# EAGLE board Mk4 Final Panel 8up 4x2 (EAGLE 9.0.1), part 19 of 23
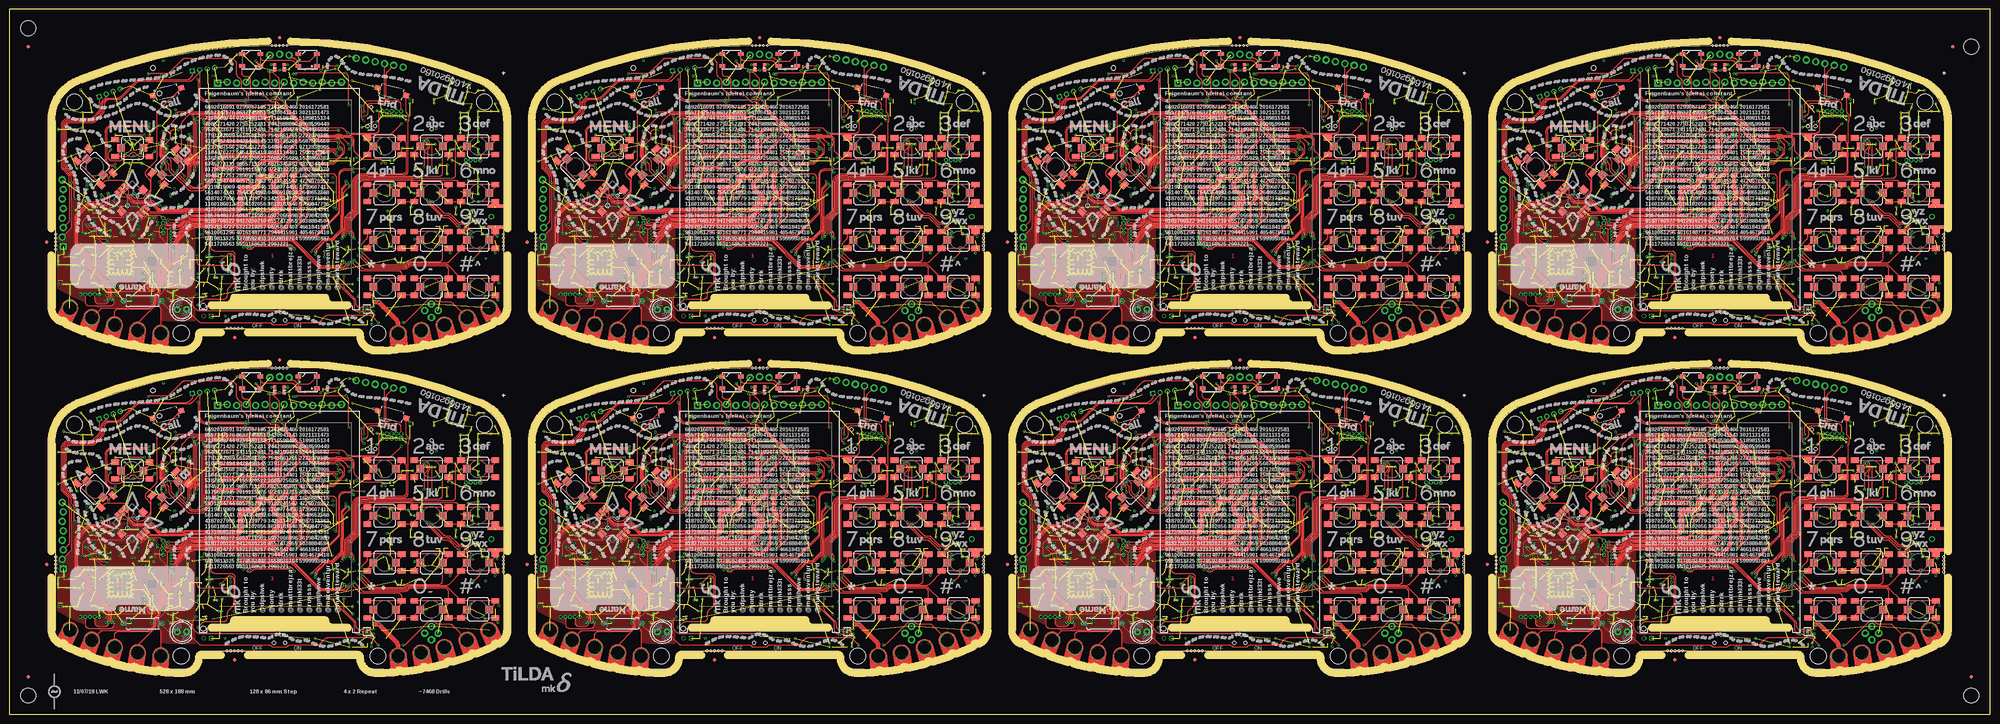
[diagram p0: board, top side]
## Tracks (layer width: path | path; a pad name or v marks a point on that pad's centre or on a via) (continued)
SIM_VDD6 (continued)
  Bottom 0.3: C698.2 arc-45 383.5,112.85 383.5,114.84 arc-45 383.79,115.54 384.4,116.15 arc-45 385.1,116.44 J64.C1 386.11,117.2 arc-45 386.4,117.9 386.46,117.96 arc45 386.75,118.66 386.75,119.25 arc90 385.75,120.25 382,120.25 arc-90 381,121.25 381,122.09 arc45 380.71,122.79 380.54,122.96 arc-45 380.25,123.66 380.25,124.75 arc90 379.25,125.75 378.91,125.75 arc-45 378.21,126.04 377.54,126.71 arc-45 377.25,127.41 377.25,128.5 376.85,128.9 IC115.5 376.57,130.59 arc45 376.28,131.29 375.37,132.21 arc45 374.66,132.5 371.91,132.5 arc-45 371.21,132.79 369.79,134.21 arc-45 369.5,134.91 369.5,136.94 arc45 369.28,137.47 368.47,138.28 arc-45 368.25,138.81 368.25,144.34 arc-45 368.54,145.04 369.31,145.81 arc45 369.6,146.51 IC111.18
SIM_VDD7
  Bottom 0.3: C806.2 arc-45 511.5,112.85 511.5,114.84 arc-45 511.79,115.54 512.4,116.15 arc-45 513.1,116.44 J74.C1 514.11,117.2 arc-45 514.4,117.9 514.46,117.96 arc45 514.75,118.66 514.75,119.25 arc90 513.75,120.25 510,120.25 arc-90 509,121.25 509,122.09 arc45 508.71,122.79 508.54,122.96 arc-45 508.25,123.66 508.25,124.75 arc90 507.25,125.75 506.91,125.75 arc-45 506.21,126.04 505.54,126.71 arc-45 505.25,127.41 505.25,128.5 504.85,128.9 IC133.5 504.57,130.59 arc45 504.28,131.29 503.37,132.21 arc45 502.66,132.5 499.91,132.5 arc-45 499.21,132.79 497.79,134.21 arc-45 497.5,134.91 497.5,136.94 arc45 497.28,137.47 496.47,138.28 arc-45 496.25,138.81 496.25,144.34 arc-45 496.54,145.04 497.31,145.81 arc45 497.6,146.51 IC129.18
SOP0  (via drill 0.3)
  Top 0.2: v26.05,40.55 25.11,40.55 arc-45 24.41,40.84 23.54,41.71 arc-45 23.25,42.41 23.25,42.75 arc90 22.25,43.75 22.16,43.75 arc-45 21.46,44.04 21.18,44.32 arc-45 v21,44.75
  Bottom 0.2: IC15.35 26.75,39.44 arc45 26.46,40.14 v26.05,40.55 | R64.1 22.25,46.65 21.44,45.84 arc45 21,44.78 v21,44.75
SOP1  (via drill 0.3)
  Top 0.2: v20.25,44.75 arc45 20.43,44.32 21.71,43.04 arc-45 22,42.34 22,42 arc90 23,41 23.06,41 arc-45 23.77,40.71 24.38,40.09 arc45 25.09,39.8 v26,39.8
  Bottom 0.2: IC15.34 26.25,39.34 arc45 26.1,39.7 v26,39.8 | R63.1 21.2,46.7 20.69,46.19 arc45 20.25,45.13 v20.25,44.75
SOP2
  Bottom 0.15: IC15.21 24.42,32.75 arc90 24.17,32.5 24.17,29.43 R62.1
SOP3
  Bottom 0.15: IC29.21 152.43,32.75 arc90 152.18,32.5 152.18,29.43 R140.1
SOP4  (via drill 0.3)
  Top 0.2: v148.25,44.75 arc45 148.43,44.32 149.71,43.04 arc-45 150,42.34 150,42 arc90 151,41 151.06,41 arc-45 151.76,40.71 152.38,40.09 arc45 153.09,39.8 v154,39.8
  Bottom 0.2: IC29.34 154.25,39.34 arc45 154.1,39.7 v154,39.8 | R141.1 149.2,46.7 148.69,46.19 arc45 148.25,45.13 v148.25,44.75
SOP5  (via drill 0.3)
  Top 0.2: v154.05,40.55 153.11,40.55 arc-45 152.41,40.84 151.54,41.71 arc-45 151.25,42.41 151.25,42.75 arc90 150.25,43.75 150.16,43.75 arc-45 149.46,44.04 149.18,44.32 arc-45 v149,44.75
  Bottom 0.2: IC29.35 154.75,39.44 arc45 154.46,40.14 v154.05,40.55 | R142.1 150.25,46.65 149.44,45.84 arc45 149,44.78 v149,44.75
SOP6
  Bottom 0.15: IC47.21 24.42,118.75 arc90 24.17,118.5 24.17,115.42 R218.1
SOP7  (via drill 0.3)
  Top 0.2: v20.25,130.75 arc45 20.43,130.32 21.71,129.04 arc-45 22,128.34 22,128 arc90 23,127 23.06,127 arc-45 23.77,126.71 24.38,126.09 arc45 25.09,125.8 v26,125.8
  Bottom 0.2: IC47.34 26.25,125.34 arc45 26.1,125.7 v26,125.8 | R219.1 21.2,132.7 20.69,132.19 arc45 20.25,131.13 v20.25,130.75
SOP8  (via drill 0.3)
  Top 0.2: v26.05,126.55 25.11,126.55 arc-45 24.41,126.84 23.54,127.71 arc-45 23.25,128.41 23.25,128.75 arc90 22.25,129.75 22.16,129.75 arc-45 21.46,130.04 21.18,130.32 arc-45 v21,130.75
  Bottom 0.2: IC47.35 26.75,125.44 arc45 26.46,126.14 v26.05,126.55 | R220.1 22.25,132.65 21.44,131.84 arc45 21,130.78 v21,130.75
SOP9
  Bottom 0.15: IC65.21 152.43,118.75 arc90 152.18,118.5 152.18,115.42 R296.1
SOP10  (via drill 0.3)
  Top 0.2: v148.25,130.75 arc45 148.43,130.32 149.71,129.04 arc-45 150,128.34 150,128 arc90 151,127 151.06,127 arc-45 151.76,126.71 152.38,126.09 arc45 153.09,125.8 v154,125.8
  Bottom 0.2: IC65.34 154.25,125.34 arc45 154.1,125.7 v154,125.8 | R297.1 149.2,132.7 148.69,132.19 arc45 148.25,131.13 v148.25,130.75
SOP11  (via drill 0.3)
  Top 0.2: v154.05,126.55 153.11,126.55 arc-45 152.41,126.84 151.54,127.71 arc-45 151.25,128.41 151.25,128.75 arc90 150.25,129.75 150.16,129.75 arc-45 149.46,130.04 149.18,130.32 arc-45 v149,130.75
  Bottom 0.2: IC65.35 154.75,125.44 arc45 154.46,126.14 v154.05,126.55 | R298.1 150.25,132.65 149.44,131.84 arc45 149,130.78 v149,130.75
SOP12
  Bottom 0.15: IC83.21 280.43,32.75 arc90 280.18,32.5 280.18,29.43 R374.1
SOP13  (via drill 0.3)
  Top 0.2: v276.25,44.75 arc45 276.43,44.32 277.71,43.04 arc-45 278,42.34 278,42 arc90 279,41 279.06,41 arc-45 279.76,40.71 280.38,40.09 arc45 281.09,39.8 v282,39.8
  Bottom 0.2: IC83.34 282.25,39.34 arc45 282.1,39.7 v282,39.8 | R375.1 277.2,46.7 276.69,46.19 arc45 276.25,45.13 v276.25,44.75
SOP14  (via drill 0.3)
  Top 0.2: v282.05,40.55 281.11,40.55 arc-45 280.41,40.84 279.54,41.71 arc-45 279.25,42.41 279.25,42.75 arc90 278.25,43.75 278.16,43.75 arc-45 277.46,44.04 277.18,44.32 arc-45 v277,44.75
  Bottom 0.2: IC83.35 282.75,39.44 arc45 282.46,40.14 v282.05,40.55 | R376.1 278.25,46.65 277.44,45.84 arc45 277,44.78 v277,44.75
SOP15
  Bottom 0.15: IC101.21 408.43,32.75 arc90 408.18,32.5 408.18,29.43 R452.1
SOP16  (via drill 0.3)
  Top 0.2: v404.25,44.75 arc45 404.43,44.32 405.71,43.04 arc-45 406,42.34 406,42 arc90 407,41 407.06,41 arc-45 407.76,40.71 408.38,40.09 arc45 409.09,39.8 v410,39.8
  Bottom 0.2: IC101.34 410.25,39.34 arc45 410.1,39.7 v410,39.8 | R453.1 405.2,46.7 404.69,46.19 arc45 404.25,45.13 v404.25,44.75
SOP17  (via drill 0.3)
  Top 0.2: v410.05,40.55 409.11,40.55 arc-45 408.41,40.84 407.54,41.71 arc-45 407.25,42.41 407.25,42.75 arc90 406.25,43.75 406.16,43.75 arc-45 405.46,44.04 405.18,44.32 arc-45 v405,44.75
  Bottom 0.2: IC101.35 410.75,39.44 arc45 410.46,40.14 v410.05,40.55 | R454.1 406.25,46.65 405.44,45.84 arc45 405,44.78 v405,44.75
SOP18
  Bottom 0.15: IC119.21 280.43,118.75 arc90 280.18,118.5 280.18,115.42 R530.1
SOP19  (via drill 0.3)
  Top 0.2: v276.25,130.75 arc45 276.43,130.32 277.71,129.04 arc-45 278,128.34 278,128 arc90 279,127 279.06,127 arc-45 279.76,126.71 280.38,126.09 arc45 281.09,125.8 v282,125.8
  Bottom 0.2: IC119.34 282.25,125.34 arc45 282.1,125.7 v282,125.8 | R531.1 277.2,132.7 276.69,132.19 arc45 276.25,131.13 v276.25,130.75
SOP20  (via drill 0.3)
  Top 0.2: v282.05,126.55 281.11,126.55 arc-45 280.41,126.84 279.54,127.71 arc-45 279.25,128.41 279.25,128.75 arc90 278.25,129.75 278.16,129.75 arc-45 277.46,130.04 277.18,130.32 arc-45 v277,130.75
  Bottom 0.2: IC119.35 282.75,125.44 arc45 282.46,126.14 v282.05,126.55 | R532.1 278.25,132.65 277.44,131.84 arc45 277,130.78 v277,130.75
SOP21
  Bottom 0.15: IC137.21 408.43,118.75 arc90 408.18,118.5 408.18,115.42 R608.1
SOP22  (via drill 0.3)
  Top 0.2: v404.25,130.75 arc45 404.43,130.32 405.71,129.04 arc-45 406,128.34 406,128 arc90 407,127 407.06,127 arc-45 407.76,126.71 408.38,126.09 arc45 409.09,125.8 v410,125.8
  Bottom 0.2: IC137.34 410.25,125.34 arc45 410.1,125.7 v410,125.8 | R609.1 405.2,132.7 404.69,132.19 arc45 404.25,131.13 v404.25,130.75
SOP23  (via drill 0.3)
  Top 0.2: v410.05,126.55 409.11,126.55 arc-45 408.41,126.84 407.54,127.71 arc-45 407.25,128.41 407.25,128.75 arc90 406.25,129.75 406.16,129.75 arc-45 405.46,130.04 405.18,130.32 arc-45 v405,130.75
  Bottom 0.2: IC137.35 410.75,125.44 arc45 410.46,126.14 v410.05,126.55 | R610.1 406.25,132.65 405.44,131.84 arc45 405,130.78 v405,130.75
SPK_AMP_N
  Bottom 0.2: IC13.8 31.83,63.17 arc-90 30.83,62.17 28.34,62.17 arc45 27.63,61.88 U5.-
SPK_AMP_N1
  Bottom 0.2: IC28.8 159.82,63.17 arc-90 158.82,62.17 156.34,62.17 arc45 155.63,61.88 U6.-
SPK_AMP_N2
  Bottom 0.2: IC46.8 31.83,149.18 arc-90 30.83,148.18 28.34,148.18 arc45 27.63,147.88 U9.-
SPK_AMP_N3
  Bottom 0.2: IC64.8 159.82,149.18 arc-90 158.82,148.18 156.34,148.18 arc45 155.63,147.88 U12.-
SPK_AMP_N4
  Bottom 0.2: IC82.8 287.82,63.17 arc-90 286.82,62.17 284.34,62.17 arc45 283.63,61.88 U15.-
SPK_AMP_N5
  Bottom 0.2: IC100.8 415.82,63.17 arc-90 414.82,62.17 412.34,62.17 arc45 411.63,61.88 U18.-
SPK_AMP_N6
  Bottom 0.2: IC118.8 287.82,149.18 arc-90 286.82,148.18 284.34,148.18 arc45 283.63,147.88 U21.-
SPK_AMP_N7
  Bottom 0.2: IC136.8 415.82,149.18 arc-90 414.82,148.18 412.34,148.18 arc45 411.63,147.88 U24.-
SPK_AMP_P  (via drill 0.3)
  Top 0.2: v34.5,62 30.29,62 arc45 29.79,61.79 arc-45 29.09,61.5 27.5,61.5 arc-90 26.5,62.5 26.5,63.59 arc-45 26.79,64.29 v27,64.5
  Bottom 0.2: IC13.5 33.77,63.14 arc45 34.07,62.43 v34.5,62 | U5.+ 25.25,66.66 arc45 25.54,65.96 v27,64.5
SPK_AMP_P1  (via drill 0.3)
  Top 0.2: v162.5,62 158.29,62 arc45 157.79,61.79 arc-45 157.09,61.5 155.5,61.5 arc-90 154.5,62.5 154.5,63.59 arc-45 154.79,64.29 v155,64.5
  Bottom 0.2: IC28.5 161.78,63.14 arc45 162.07,62.43 v162.5,62 | U6.+ 153.25,66.66 arc45 153.54,65.96 v155,64.5
SPK_AMP_P2  (via drill 0.3)
  Top 0.2: v34.5,148 30.29,148 arc45 29.79,147.79 arc-45 29.09,147.5 27.5,147.5 arc-90 26.5,148.5 26.5,149.59 arc-45 26.79,150.29 v27,150.5
  Bottom 0.2: IC46.5 33.77,149.14 arc45 34.07,148.43 v34.5,148 | U9.+ 25.25,152.66 arc45 25.54,151.96 v27,150.5
SPK_AMP_P3  (via drill 0.3)
  Top 0.2: v162.5,148 158.29,148 arc45 157.79,147.79 arc-45 157.09,147.5 155.5,147.5 arc-90 154.5,148.5 154.5,149.59 arc-45 154.79,150.29 v155,150.5
  Bottom 0.2: IC64.5 161.78,149.14 arc45 162.07,148.43 v162.5,148 | U12.+ 153.25,152.66 arc45 153.54,151.96 v155,150.5
SPK_AMP_P4  (via drill 0.3)
  Top 0.2: v290.5,62 286.29,62 arc45 285.79,61.79 arc-45 285.09,61.5 283.5,61.5 arc-90 282.5,62.5 282.5,63.59 arc-45 282.79,64.29 v283,64.5
  Bottom 0.2: IC82.5 289.77,63.14 arc45 290.07,62.43 v290.5,62 | U15.+ 281.25,66.66 arc45 281.54,65.96 v283,64.5
SPK_AMP_P5  (via drill 0.3)
  Top 0.2: v418.5,62 414.29,62 arc45 413.79,61.79 arc-45 413.09,61.5 411.5,61.5 arc-90 410.5,62.5 410.5,63.59 arc-45 410.79,64.29 v411,64.5
  Bottom 0.2: IC100.5 417.77,63.14 arc45 418.07,62.43 v418.5,62 | U18.+ 409.25,66.66 arc45 409.54,65.96 v411,64.5
SPK_AMP_P6  (via drill 0.3)
  Top 0.2: v290.5,148 286.29,148 arc45 285.79,147.79 arc-45 285.09,147.5 283.5,147.5 arc-90 282.5,148.5 282.5,149.59 arc-45 282.79,150.29 v283,150.5
  Bottom 0.2: IC118.5 289.77,149.14 arc45 290.07,148.43 v290.5,148 | U21.+ 281.25,152.66 arc45 281.54,151.96 v283,150.5
SPK_AMP_P7  (via drill 0.3)
  Top 0.2: v418.5,148 414.29,148 arc45 413.79,147.79 arc-45 413.09,147.5 411.5,147.5 arc-90 410.5,148.5 410.5,149.59 arc-45 410.79,150.29 v411,150.5
  Bottom 0.2: IC136.5 417.77,149.14 arc45 418.07,148.43 v418.5,148 | U24.+ 409.25,152.66 arc45 409.54,151.96 v411,150.5
SPK_N  (via drill 0.3)
  Top 0.2: v61,41.9 61.23,41.67 81.21,41.67 arc45 81.92,41.97 87.46,47.51 arc45 87.75,48.21 87.75,57.92 arc-90 89.17,59.34 91.11,59.34 arc45 91.46,59.49 v91.59,59.62 91.76,59.45 v94.6,59.45 | v37.3,70.5 37.27,70.53 arc45 36.56,70.83 27.5,70.83 arc90 25.92,69.25 25.92,61.95 arc90 27.45,60.42 27.72,60.42 arc45 28.07,60.57 v28.2,60.7
  Bottom 0.2: IC5.12 104.6,59 C68.2 | C65.1 C68.2 | C67.1 C64.2 | C64.2 C68.2 | C64.2 101.17,58.67 96.46,58.67 arc-45 96.39,58.7 96.3,58.8 arc45 96.23,58.83 95.22,58.83 arc-90 v94.6,59.45 | v61,41.9 60.77,41.67 60.29,41.67 arc-45 59.58,41.97 57.27,44.28 arc45 56.8,44.48 56.69,44.48 arc-45 55.98,44.77 52.66,48.08 arc45 51.96,48.38 45.39,48.38 arc-45 44.68,48.67 41.87,51.48 arc-45 41.58,52.19 41.58,52.7 arc90 39.9,54.38 37.29,54.38 arc-45 36.58,54.67 34.37,56.88 arc45 33.66,57.17 30.4,57.17 arc-90 29.67,57.9 29.67,59.6 arc90 28.85,60.42 28.68,60.42 arc-45 28.33,60.57 v28.2,60.7 | 36.45,70.5 C82.2 36.5,70.5 v37.3,70.5 | v91.59,59.62 92.1,59.11 92.1,59.05 92.66,58.5 R43.1
SPK_N1  (via drill 0.3)
  Top 0.2: v189,41.9 189.22,41.67 209.21,41.67 arc45 209.92,41.97 215.46,47.51 arc45 215.75,48.21 215.75,57.92 arc-90 217.17,59.34 219.11,59.34 arc45 219.46,59.49 v219.59,59.62 219.76,59.45 v222.6,59.45 | v165.3,70.5 165.27,70.53 arc45 164.56,70.83 155.5,70.83 arc90 153.93,69.25 153.93,61.95 arc90 155.45,60.42 155.72,60.42 arc45 156.07,60.57 v156.2,60.7
  Bottom 0.2: IC21.12 232.6,59 C169.2 | C166.1 C169.2 | C168.1 C165.2 | C165.2 C169.2 | C165.2 229.18,58.67 224.46,58.67 arc-45 224.39,58.7 224.3,58.8 arc45 224.23,58.83 223.22,58.83 arc-90 v222.6,59.45 | v189,41.9 188.78,41.67 188.29,41.67 arc-45 187.58,41.97 185.26,44.28 arc45 184.8,44.48 184.69,44.48 arc-45 183.98,44.77 180.67,48.08 arc45 179.96,48.38 173.39,48.38 arc-45 172.68,48.67 169.87,51.48 arc-45 169.57,52.19 169.57,52.7 arc90 167.9,54.38 165.29,54.38 arc-45 164.58,54.67 162.37,56.88 arc45 161.66,57.17 158.4,57.17 arc-90 157.68,57.9 157.68,59.6 arc90 156.85,60.42 156.68,60.42 arc-45 156.33,60.57 v156.2,60.7 | 164.45,70.5 C183.2 164.5,70.5 v165.3,70.5 | v219.59,59.62 220.1,59.11 220.1,59.05 220.66,58.5 R125.1
SPK_N2  (via drill 0.3)
  Top 0.2: v61,127.9 61.23,127.67 81.21,127.67 arc45 81.92,127.97 87.46,133.5 arc45 87.75,134.21 87.75,143.93 arc-90 89.17,145.34 91.11,145.34 arc45 91.46,145.49 v91.59,145.62 91.76,145.45 v94.6,145.45 | v37.3,156.5 37.27,156.53 arc45 36.56,156.82 27.5,156.82 arc90 25.92,155.25 25.92,147.95 arc90 27.45,146.43 27.72,146.43 arc45 28.07,146.57 v28.2,146.7
  Bottom 0.2: IC39.12 104.6,145 C277.2 | C274.1 C277.2 | C276.1 C273.2 | C273.2 C277.2 | C273.2 101.17,144.68 96.46,144.68 arc-45 96.39,144.7 96.3,144.8 arc45 96.23,144.82 95.22,144.82 arc-90 v94.6,145.45 | v61,127.9 60.77,127.67 60.29,127.67 arc-45 59.58,127.97 57.27,130.28 arc45 56.8,130.47 56.69,130.47 arc-45 55.98,130.77 52.66,134.08 arc45 51.96,134.38 45.39,134.38 arc-45 44.68,134.67 41.87,137.48 arc-45 41.58,138.19 41.58,138.7 arc90 39.9,140.38 37.29,140.38 arc-45 36.58,140.67 34.37,142.88 arc45 33.66,143.18 30.4,143.18 arc-90 29.67,143.9 29.67,145.6 arc90 28.85,146.43 28.68,146.43 arc-45 28.33,146.57 v28.2,146.7 | 36.45,156.5 C291.2 36.5,156.5 v37.3,156.5 | v91.59,145.62 92.1,145.11 92.1,145.06 92.66,144.5 R203.1
SPK_N3  (via drill 0.3)
  Top 0.2: v189,127.9 189.22,127.67 209.21,127.67 arc45 209.92,127.97 215.46,133.5 arc45 215.75,134.21 215.75,143.93 arc-90 217.17,145.34 219.11,145.34 arc45 219.46,145.49 v219.59,145.62 219.76,145.45 v222.6,145.45 | v165.3,156.5 165.27,156.53 arc45 164.56,156.82 155.5,156.82 arc90 153.93,155.25 153.93,147.95 arc90 155.45,146.43 155.72,146.43 arc45 156.07,146.57 v156.2,146.7
  Bottom 0.2: IC57.12 232.6,145 C385.2 | C382.1 C385.2 | C384.1 C381.2 | C381.2 C385.2 | C381.2 229.18,144.68 224.46,144.68 arc-45 224.39,144.7 224.3,144.8 arc45 224.23,144.82 223.22,144.82 arc-90 v222.6,145.45 | v189,127.9 188.78,127.67 188.29,127.67 arc-45 187.58,127.97 185.26,130.28 arc45 184.8,130.47 184.69,130.47 arc-45 183.98,130.77 180.67,134.08 arc45 179.96,134.38 173.39,134.38 arc-45 172.68,134.67 169.87,137.48 arc-45 169.57,138.19 169.57,138.7 arc90 167.9,140.38 165.29,140.38 arc-45 164.58,140.67 162.37,142.88 arc45 161.66,143.18 158.4,143.18 arc-90 157.68,143.9 157.68,145.6 arc90 156.85,146.43 156.68,146.43 arc-45 156.33,146.57 v156.2,146.7 | 164.45,156.5 C399.2 164.5,156.5 v165.3,156.5 | v219.59,145.62 220.1,145.11 220.1,145.06 220.66,144.5 R281.1
SPK_N4  (via drill 0.3)
  Top 0.2: v317,41.9 317.23,41.67 337.21,41.67 arc45 337.92,41.97 343.46,47.51 arc45 343.75,48.21 343.75,57.92 arc-90 345.17,59.34 347.11,59.34 arc45 347.46,59.49 v347.59,59.62 347.76,59.45 v350.6,59.45 | v293.3,70.5 293.27,70.53 arc45 292.56,70.83 283.5,70.83 arc90 281.93,69.25 281.93,61.95 arc90 283.45,60.42 283.72,60.42 arc45 284.07,60.57 v284.2,60.7
  Bottom 0.2: IC75.12 360.6,59 C493.2 | C490.1 C493.2 | C492.1 C489.2 | C489.2 C493.2 | C489.2 357.18,58.67 352.46,58.67 arc-45 352.39,58.7 352.3,58.8 arc45 352.23,58.83 351.23,58.83 arc-90 v350.6,59.45 | v317,41.9 316.77,41.67 316.29,41.67 arc-45 315.58,41.97 313.26,44.28 arc45 312.8,44.48 312.69,44.48 arc-45 311.98,44.77 308.66,48.08 arc45 307.96,48.38 301.39,48.38 arc-45 300.68,48.67 297.87,51.48 arc-45 297.57,52.19 297.57,52.7 arc90 295.9,54.38 293.29,54.38 arc-45 292.58,54.67 290.37,56.88 arc45 289.66,57.17 286.4,57.17 arc-90 285.68,57.9 285.68,59.6 arc90 284.85,60.42 284.68,60.42 arc-45 284.33,60.57 v284.2,60.7 | 292.45,70.5 C507.2 292.5,70.5 v293.3,70.5 | v347.59,59.62 348.1,59.11 348.1,59.05 348.65,58.5 R359.1
SPK_N5  (via drill 0.3)
  Top 0.2: v445,41.9 445.23,41.67 465.21,41.67 arc45 465.92,41.97 471.46,47.51 arc45 471.75,48.21 471.75,57.92 arc-90 473.17,59.34 475.11,59.34 arc45 475.46,59.49 v475.59,59.62 475.76,59.45 v478.6,59.45 | v421.3,70.5 421.27,70.53 arc45 420.56,70.83 411.5,70.83 arc90 409.93,69.25 409.93,61.95 arc90 411.45,60.42 411.72,60.42 arc45 412.07,60.57 v412.2,60.7
  Bottom 0.2: IC93.12 488.6,59 C601.2 | C598.1 C601.2 | C600.1 C597.2 | C597.2 C601.2 | C597.2 485.18,58.67 480.46,58.67 arc-45 480.39,58.7 480.3,58.8 arc45 480.23,58.83 479.23,58.83 arc-90 v478.6,59.45 | v445,41.9 444.77,41.67 444.29,41.67 arc-45 443.58,41.97 441.26,44.28 arc45 440.8,44.48 440.69,44.48 arc-45 439.98,44.77 436.67,48.08 arc45 435.96,48.38 429.39,48.38 arc-45 428.68,48.67 425.87,51.48 arc-45 425.57,52.19 425.57,52.7 arc90 423.9,54.38 421.29,54.38 arc-45 420.58,54.67 418.37,56.88 arc45 417.66,57.17 414.4,57.17 arc-90 413.68,57.9 413.68,59.6 arc90 412.85,60.42 412.68,60.42 arc-45 412.33,60.57 v412.2,60.7 | 420.45,70.5 C615.2 420.5,70.5 v421.3,70.5 | v475.59,59.62 476.1,59.11 476.1,59.05 476.65,58.5 R437.1
SPK_N6  (via drill 0.3)
  Top 0.2: v317,127.9 317.23,127.67 337.21,127.67 arc45 337.92,127.97 343.46,133.5 arc45 343.75,134.21 343.75,143.93 arc-90 345.17,145.34 347.11,145.34 arc45 347.46,145.49 v347.59,145.62 347.76,145.45 v350.6,145.45 | v293.3,156.5 293.27,156.53 arc45 292.56,156.82 283.5,156.82 arc90 281.93,155.25 281.93,147.95 arc90 283.45,146.43 283.72,146.43 arc45 284.07,146.57 v284.2,146.7
  Bottom 0.2: IC111.12 360.6,145 C709.2 | C706.1 C709.2 | C708.1 C705.2 | C705.2 C709.2 | C705.2 357.18,144.68 352.46,144.68 arc-45 352.39,144.7 352.3,144.8 arc45 352.23,144.82 351.23,144.82 arc-90 v350.6,145.45 | v317,127.9 316.77,127.67 316.29,127.67 arc-45 315.58,127.97 313.26,130.28 arc45 312.8,130.47 312.69,130.47 arc-45 311.98,130.77 308.66,134.08 arc45 307.96,134.38 301.39,134.38 arc-45 300.68,134.67 297.87,137.48 arc-45 297.57,138.19 297.57,138.7 arc90 295.9,140.38 293.29,140.38 arc-45 292.58,140.67 290.37,142.88 arc45 289.66,143.18 286.4,143.18 arc-90 285.68,143.9 285.68,145.6 arc90 284.85,146.43 284.68,146.43 arc-45 284.33,146.57 v284.2,146.7 | 292.45,156.5 C723.2 292.5,156.5 v293.3,156.5 | v347.59,145.62 348.1,145.11 348.1,145.06 348.65,144.5 R515.1
SPK_N7  (via drill 0.3)
  Top 0.2: v445,127.9 445.23,127.67 465.21,127.67 arc45 465.92,127.97 471.46,133.5 arc45 471.75,134.21 471.75,143.93 arc-90 473.17,145.34 475.11,145.34 arc45 475.46,145.49 v475.59,145.62 475.76,145.45 v478.6,145.45 | v421.3,156.5 421.27,156.53 arc45 420.56,156.82 411.5,156.82 arc90 409.93,155.25 409.93,147.95 arc90 411.45,146.43 411.72,146.43 arc45 412.07,146.57 v412.2,146.7
  Bottom 0.2: IC129.12 488.6,145 C817.2 | C814.1 C817.2 | C816.1 C813.2 | C813.2 C817.2 | C813.2 485.18,144.68 480.46,144.68 arc-45 480.39,144.7 480.3,144.8 arc45 480.23,144.82 479.23,144.82 arc-90 v478.6,145.45 | v445,127.9 444.77,127.67 444.29,127.67 arc-45 443.58,127.97 441.26,130.28 arc45 440.8,130.47 440.69,130.47 arc-45 439.98,130.77 436.67,134.08 arc45 435.96,134.38 429.39,134.38 arc-45 428.68,134.67 425.87,137.48 arc-45 425.57,138.19 425.57,138.7 arc90 423.9,140.38 421.29,140.38 arc-45 420.58,140.67 418.37,142.88 arc45 417.66,143.18 414.4,143.18 arc-90 413.68,143.9 413.68,145.6 arc90 412.85,146.43 412.68,146.43 arc-45 412.33,146.57 v412.2,146.7 | 420.45,156.5 C831.2 420.5,156.5 v421.3,156.5 | v475.59,145.62 476.1,145.11 476.1,145.06 476.65,144.5 R593.1
SPK_P  (via drill 0.3)
  Top 0.2: v61,41.1 61.23,41.33 81.36,41.33 arc45 82.06,41.62 87.81,47.36 arc45 88.1,48.07 88.1,57.92 arc-90 89.17,58.99 91.16,58.99 arc-45 91.51,58.84 v91.75,58.61 | v37.3,71.45 arc-45 36.64,71.17 27.5,71.17 arc90 25.58,69.25 25.58,61.95 arc90 27.45,60.08 27.72,60.08 arc-45 28.07,59.93 v28.2,59.8
  Bottom 0.2: IC5.11 102.55,57.95 C68.1 | C68.1 C64.1 | C69.1 C68.1 | C66.1 C64.1 | C64.1 101.17,58.33 96.32,58.33 arc-45 96.25,58.35 96.16,58.45 arc45 96.09,58.48 93.78,58.48 R45.1 93.11,57.86 arc-90 92.4,57.86 91.75,58.51 v91.75,58.61 | v61,41.1 60.77,41.33 60.14,41.33 arc-45 59.44,41.62 57.02,44.03 arc45 56.8,44.12 56.54,44.12 arc-45 55.84,44.42 52.52,47.73 arc45 51.81,48.02 45.24,48.02 arc-45 44.53,48.32 41.52,51.34 arc-45 41.23,52.04 41.23,52.7 arc90 39.9,54.02 37.14,54.02 arc-45 36.44,54.32 34.22,56.53 arc45 33.51,56.83 30.4,56.83 arc-90 29.33,57.9 29.33,59.6 arc90 28.85,60.08 28.68,60.08 arc45 28.33,59.93 v28.2,59.8 | C83.2 v37.3,71.45
SPK_P1  (via drill 0.3)
  Top 0.2: v189,41.1 189.22,41.33 209.36,41.33 arc45 210.06,41.62 215.81,47.36 arc45 216.1,48.07 216.1,57.92 arc-90 217.17,58.99 219.16,58.99 arc-45 219.51,58.84 v219.75,58.61 | v165.3,71.45 arc-45 164.64,71.17 155.5,71.17 arc90 153.57,69.25 153.57,61.95 arc90 155.45,60.08 155.72,60.08 arc-45 156.07,59.93 v156.2,59.8
  Bottom 0.2: IC21.11 230.55,57.95 C169.1 | C169.1 C165.1 | C170.1 C169.1 | C167.1 C165.1 | C165.1 229.18,58.33 224.32,58.33 arc-45 224.25,58.35 224.16,58.45 arc45 224.09,58.48 221.78,58.48 R126.1 221.11,57.86 arc-90 220.4,57.86 219.75,58.51 v219.75,58.61 | v189,41.1 188.78,41.33 188.14,41.33 arc-45 187.44,41.62 185.02,44.03 arc45 184.8,44.12 184.54,44.12 arc-45 183.83,44.42 180.52,47.73 arc45 179.81,48.02 173.24,48.02 arc-45 172.53,48.32 169.52,51.34 arc-45 169.22,52.04 169.22,52.7 arc90 167.9,54.02 165.14,54.02 arc-45 164.44,54.32 162.22,56.53 arc45 161.51,56.83 158.4,56.83 arc-90 157.32,57.9 157.32,59.6 arc90 156.85,60.08 156.68,60.08 arc45 156.33,59.93 v156.2,59.8 | C184.2 v165.3,71.45
SPK_P2  (via drill 0.3)
  Top 0.2: v61,127.1 61.23,127.33 81.36,127.33 arc45 82.06,127.62 87.81,133.36 arc45 88.1,134.07 88.1,143.93 arc-90 89.17,144.99 91.16,144.99 arc-45 91.51,144.84 v91.75,144.61 | v37.3,157.45 arc-45 36.64,157.18 27.5,157.18 arc90 25.58,155.25 25.58,147.95 arc90 27.45,146.07 27.72,146.07 arc-45 28.07,145.93 v28.2,145.8
  Bottom 0.2: IC39.11 102.55,143.95 C277.1 | C277.1 C273.1 | C278.1 C277.1 | C275.1 C273.1 | C273.1 101.17,144.32 96.32,144.32 arc-45 96.25,144.35 96.16,144.45 arc45 96.09,144.47 93.78,144.47 R204.1 93.11,143.86 arc-90 92.4,143.86 91.75,144.51 v91.75,144.61 | v61,127.1 60.77,127.33 60.14,127.33 arc-45 59.44,127.62 57.02,130.03 arc45 56.8,130.12 56.54,130.12 arc-45 55.84,130.42 52.52,133.73 arc45 51.81,134.03 45.24,134.03 arc-45 44.53,134.32 41.52,137.33 arc-45 41.23,138.04 41.23,138.7 arc90 39.9,140.03 37.14,140.03 arc-45 36.44,140.32 34.22,142.53 arc45 33.51,142.82 30.4,142.82 arc-90 29.33,143.9 29.33,145.6 arc90 28.85,146.07 28.68,146.07 arc45 28.33,145.93 v28.2,145.8 | C292.2 v37.3,157.45
SPK_P3  (via drill 0.3)
  Top 0.2: v189,127.1 189.22,127.33 209.36,127.33 arc45 210.06,127.62 215.81,133.36 arc45 216.1,134.07 216.1,143.93 arc-90 217.17,144.99 219.16,144.99 arc-45 219.51,144.84 v219.75,144.61 | v165.3,157.45 arc-45 164.64,157.18 155.5,157.18 arc90 153.57,155.25 153.57,147.95 arc90 155.45,146.07 155.72,146.07 arc-45 156.07,145.93 v156.2,145.8
  Bottom 0.2: IC57.11 230.55,143.95 C385.1 | C385.1 C381.1 | C386.1 C385.1 | C383.1 C381.1 | C381.1 229.18,144.32 224.32,144.32 arc-45 224.25,144.35 224.16,144.45 arc45 224.09,144.47 221.78,144.47 R282.1 221.11,143.86 arc-90 220.4,143.86 219.75,144.51 v219.75,144.61 | v189,127.1 188.78,127.33 188.14,127.33 arc-45 187.44,127.62 185.02,130.03 arc45 184.8,130.12 184.54,130.12 arc-45 183.83,130.42 180.52,133.73 arc45 179.81,134.03 173.24,134.03 arc-45 172.53,134.32 169.52,137.33 arc-45 169.22,138.04 169.22,138.7 arc90 167.9,140.03 165.14,140.03 arc-45 164.44,140.32 162.22,142.53 arc45 161.51,142.82 158.4,142.82 arc-90 157.32,143.9 157.32,145.6 arc90 156.85,146.07 156.68,146.07 arc45 156.33,145.93 v156.2,145.8 | C400.2 v165.3,157.45
SPK_P4  (via drill 0.3)
  Top 0.2: v317,41.1 317.23,41.33 337.36,41.33 arc45 338.06,41.62 343.81,47.36 arc45 344.1,48.07 344.1,57.92 arc-90 345.17,58.99 347.16,58.99 arc-45 347.51,58.84 v347.75,58.61 | v293.3,71.45 arc-45 292.64,71.17 283.5,71.17 arc90 281.57,69.25 281.57,61.95 arc90 283.45,60.08 283.72,60.08 arc-45 284.07,59.93 v284.2,59.8
  Bottom 0.2: IC75.11 358.55,57.95 C493.1 | C493.1 C489.1 | C494.1 C493.1 | C491.1 C489.1 | C489.1 357.18,58.33 352.32,58.33 arc-45 352.25,58.35 352.16,58.45 arc45 352.09,58.48 349.77,58.48 R360.1 349.11,57.86 arc-90 348.4,57.86 347.75,58.51 v347.75,58.61 | v317,41.1 316.77,41.33 316.14,41.33 arc-45 315.44,41.62 313.02,44.03 arc45 312.8,44.12 312.54,44.12 arc-45 311.84,44.42 308.52,47.73 arc45 307.81,48.02 301.24,48.02 arc-45 300.53,48.32 297.52,51.34 arc-45 297.23,52.04 297.23,52.7 arc90 295.9,54.02 293.14,54.02 arc-45 292.44,54.32 290.22,56.53 arc45 289.51,56.83 286.4,56.83 arc-90 285.32,57.9 285.32,59.6 arc90 284.85,60.08 284.68,60.08 arc45 284.33,59.93 v284.2,59.8 | C508.2 v293.3,71.45